# KiCad board Endstufe.kicad_pcb (continued)
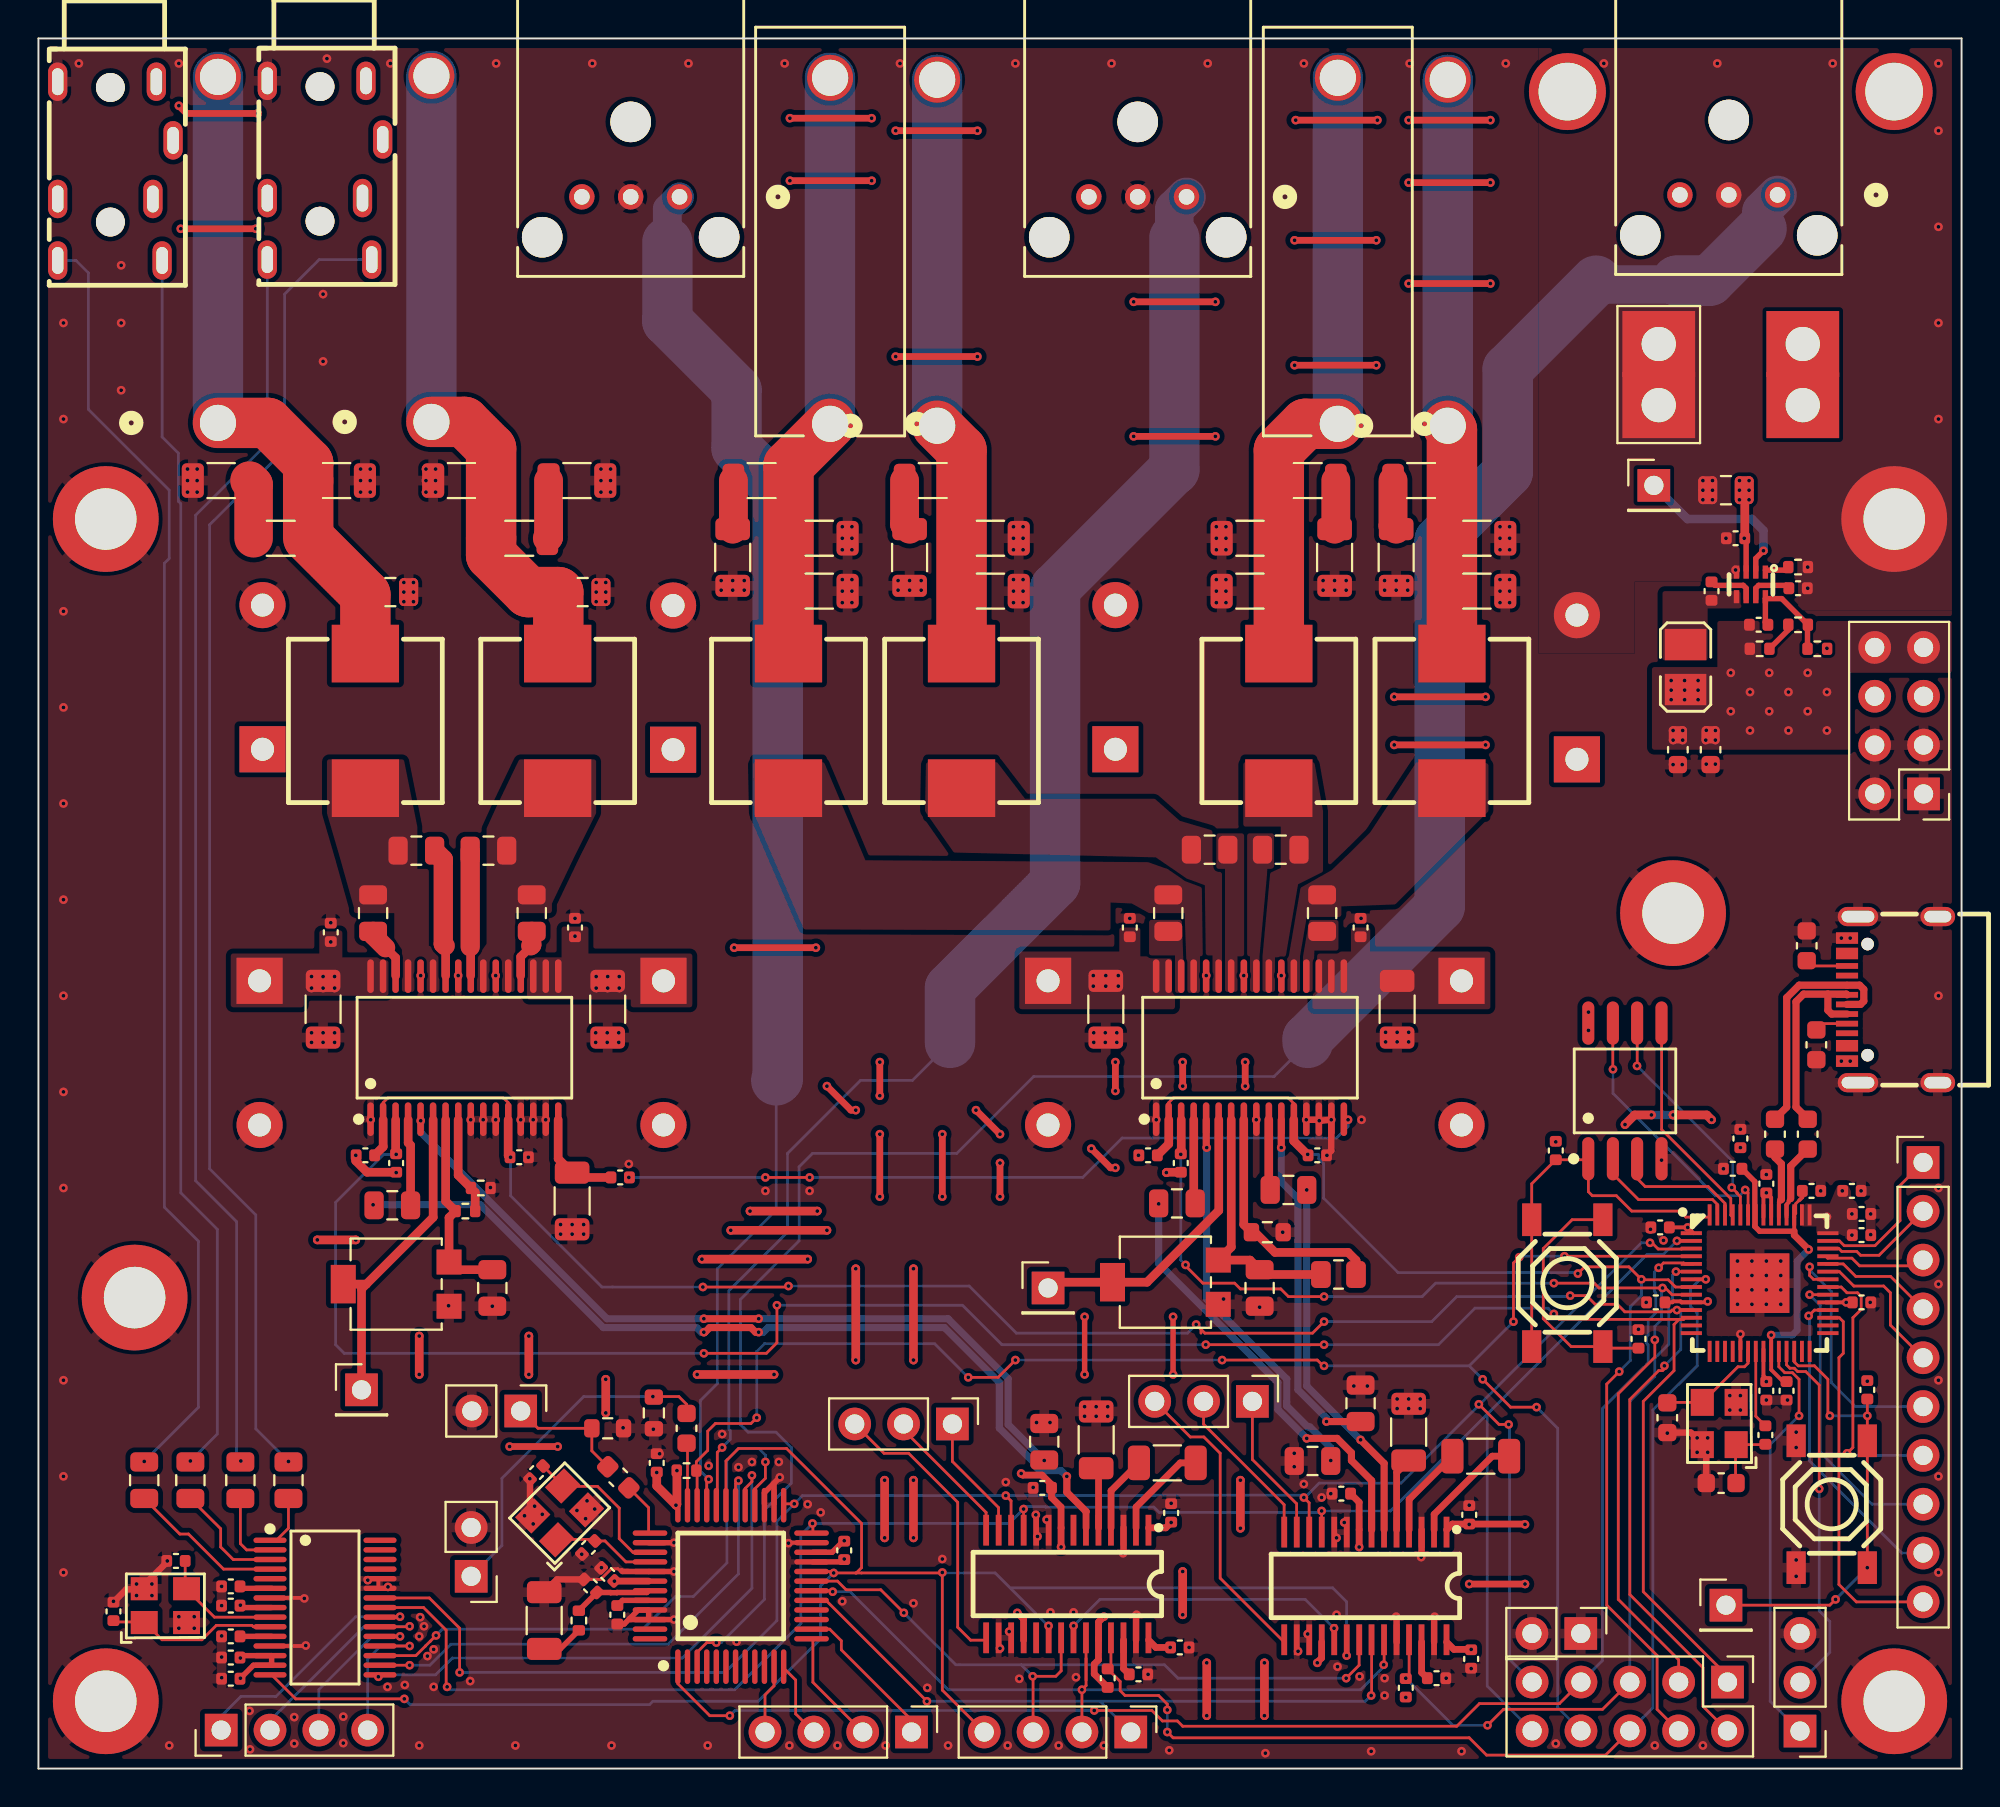
[diagram p0: board, top side]
## Footprints (pads in the part's own frame, mm; a bottom-side part is the same pattern mirrored in y, then rotated) (continued)
PinHeader_2x04_P2.54mm_Vertical
  rect 1.7x1.7 hole 1: 1(0,0)
  oval 1.7x1.7 hole 1: 2(2.54,0) 3(0,-2.54) 4(2.54,-2.54) 5(0,-5.08) 6(2.54,-5.08) 7(0,-7.62) 8(2.54,-7.62)
PinHeader_2x05_P2.54mm_Vertical
  rect 1.7x1.7 hole 1: 1(0,0)
  oval 1.7x1.7 hole 1: 2(2.54,0) 3(0,-2.54) 4(2.54,-2.54) 5(0,-5.08) 6(2.54,-5.08) 7(0,-7.62) 8(2.54,-7.62) 9(0,-10.16) 10(2.54,-10.16)
Potentiometer_Bourns_3314G_Vertical
  rect 1.3x1.3 smd: 1(1.15,2.75) 3(-1.15,2.75)
  rect 2x1.3 smd: 2(0,-2.75)
R_0402_1005Metric
  rrect 0.54x0.64 smd: 1(-0.51,0) 2(0.51,0)
R_0603_1608Metric
  rrect 0.8x0.95 smd: 1(-0.825,0) 2(0.825,0)
R_0805_2012Metric
  rrect 1.025x1.4 smd: 1(-0.912,0) 2(0.912,0)
R_1206_3216Metric
  rrect 1.125x1.75 smd: 1(-1.462,0) 2(1.462,0)
SOIC-8_L5.3-W5.3-P1.27-LS8.0-BL
  oval 0.63x2.25 smd: 1(-1.91,-3.53) 2(-0.63,-3.53) 3(0.63,-3.53) 4(1.9,-3.53) 5(1.9,3.53) 6(0.63,3.53) 7(-0.63,3.53) 8(-1.91,3.53)
SOT-583-8_L2.1-W1.2-P0.50-LS1.6-BR
  rect 0.68x0.28 smd: 1(0.64,-0.75) 2(0.64,-0.25) 3(0.64,0.25) 4(0.64,0.75) 5(-0.64,0.75) 6(-0.64,0.25) 7(-0.64,-0.25) 8(-0.64,-0.75)
SW-SMD_4P-L5.1-W5.1-P3.70-LS6.5-TL-2
  rect 1.7x1 smd: 1(-3.3,1.85) 2(3.3,1.85) 3(-3.3,-1.85) 4(3.3,-1.85)
TQFP-48_L7.0-W7.0-P0.50-LS9.0-TL
  oval 1.8x0.28 smd: 1(-4.2,2.75) 2(-4.2,2.25) 3(-4.2,1.75) 4(-4.2,1.25) 5(-4.2,0.75) 6(-4.2,0.25) 7(-4.2,-0.25) 8(-4.2,-0.75) 9(-4.2,-1.25) 10(-4.2,-1.75) 11(-4.2,-2.25) 12(-4.2,-2.75) 25(4.2,-2.75) 26(4.2,-2.25) 27(4.2,-1.75) 28(4.2,-1.25) 29(4.2,-0.75) 30(4.2,-0.25) 31(4.2,0.25) 32(4.2,0.75) 33(4.2,1.25) 34(4.2,1.75) 35(4.2,2.25) 36(4.2,2.75)
  oval 0.28x1.8 smd: 13(-2.75,-4.2) 14(-2.25,-4.2) 15(-1.75,-4.2) 16(-1.25,-4.2) 17(-0.75,-4.2) 18(-0.25,-4.2) 19(0.25,-4.2) 20(0.75,-4.2) 21(1.25,-4.2) 22(1.75,-4.2) 23(2.25,-4.2) 24(2.75,-4.2) 37(2.75,4.2) 38(2.25,4.2) 39(1.75,4.2) 40(1.25,4.2) 41(0.75,4.2) 42(0.25,4.2) 43(-0.25,4.2) 44(-0.75,4.2) 45(-1.25,4.2) 46(-1.75,4.2) 47(-2.25,4.2) 48(-2.75,4.2)
TSSOP-28_L9.8-W6.6-P0.65-BL
  rect 0.3x1.6 smd: 1(-4.22,-2.8) 2(-3.57,-2.8) 3(-2.92,-2.8) 4(-2.27,-2.8) 5(-1.62,-2.8) 6(-0.97,-2.8) 7(-0.32,-2.8) 8(0.32,-2.8) 9(0.97,-2.8) 10(1.62,-2.8) 11(2.27,-2.8) 12(2.92,-2.8) 13(3.57,-2.8) 14(4.22,-2.8) 15(4.22,2.8) 16(3.57,2.8) 17(2.92,2.8) 18(2.27,2.8) 19(1.62,2.8) 20(0.97,2.8) 21(0.32,2.8) 22(-0.32,2.8) 23(-0.97,2.8) 24(-1.62,2.8) 25(-2.27,2.8) 26(-2.92,2.8) 27(-3.57,2.8) 28(-4.22,2.8)
TSSOP-30_L7.8-W4.4-P0.50-LS6.4-BL
  oval 0.28x1.72 smd: 1(-3.5,-2.86) 2(-3,-2.86) 3(-2.5,-2.86) 4(-2,-2.86) 5(-1.5,-2.86) 6(-1,-2.86) 7(-0.5,-2.86) 8(0,-2.86) 9(0.5,-2.86) 10(1,-2.86) 11(1.5,-2.86) 12(2,-2.86) 13(2.5,-2.86) 14(3,-2.86) 15(3.5,-2.86) 16(3.5,2.86) 17(3,2.86) 18(2.5,2.86) 19(2,2.86) 20(1.5,2.86) 21(1,2.86) 22(0.5,2.86) 23(0,2.86) 24(-0.5,2.86) 25(-1,2.86) 26(-1.5,2.86) 27(-2,2.86) 28(-2.5,2.86) 29(-3,2.86) 30(-3.5,2.86)
USB-C-SMD_TYPE-C16PIN
  round 0.65 hole 0.65: (-2.89,1.29) (2.89,1.29)
  oval 1x2.1 hole 0.6x1.7: 1(-4.32,1.79) 2(4.32,1.79)
  oval 1x1.8 hole 0.6x1.4: 3(-4.32,-2.36) 4(4.32,-2.36)
  rect 0.6x1.15 smd: A1B12(-3.2,2.36) A4B9(-2.4,2.36) B1A12(3.2,2.36) B4A9(2.4,2.36)
  rect 0.3x1.15 smd: A5(-1.25,2.36) A6(-0.25,2.36) A7(0.25,2.36) A8(-1.75,2.36) B5(1.75,2.36) B6(0.75,2.36) B7(-0.75,2.36) B8(1.25,2.36)

## Nets
+3V3: C10.2 C13.2 C14.2 C22.1 C23.1 C24.2 C25.2 C26.2 C28.1 C35.2 C36.2 C37.2 C38.2 C39.2 C43.2 C45.2 C46.2 C47.2 C48.2 C50.2 C104.2 C105.2 C106.2 C107.2 J5.3 J6.3 J20.3 J24.7 J24.8 L7.2 R6.2 R9.2 R10.2 R11.2 R12.2 R18.2 R19.2 R29.1 R31.1 R37.2 U1.8 U1.13 U1.14 U2.22 U2.36 U2.42 U3.1 U3.8 U3.18 U3.28 U4.1 U4.8 U4.18 U4.24 U4.28 U8.1 U8.10 U8.22 U8.33 U8.42 U8.43 U8.44 U8.48 U8.49 U9.8
+24V: C6.1 C9.1 C66.1 C67.1 C68.1 C69.1 C70.1 C71.1 C86.1 C87.1 C88.1 C89.1 C90.1 C91.1 C100.1 C101.1 C102.1 C103.1 J18.2 J24.5 J24.6 U5.17 U5.18 U5.19 U5.31 U5.32 U6.17 U6.18 U6.19 U6.31 U6.32 U7.3
GND: C5.2 C6.2 C7.1 C8.2 C9.2 C10.1 C11.2 C12.2 C13.1 C14.1 C15.2 C16.2 C19.2 C20.1 C23.2 C24.1 C25.1 C26.1 C27.2 C28.2 C29.1 C30.2 C33.1 C34.1 C35.1 C36.1 C37.1 C38.1 C39.1 C40.2 C43.1 C44.1 C45.1 C46.1 C47.1 C48.1 C50.1 C51.2 C54.1 C56.1 C57.1 C60.1 C61.1 C63.2 C66.2 C67.2 C68.2 C69.2 C70.2 C71.2 C74.2 C75.1 C76.2 C77.1 C78.2 C79.1 C80.1 C81.2 C82.2 C83.1 C84.2 C85.1 C86.2 C87.2 C88.2 C89.2 C90.2 C91.2 C92.2 C93.1 C94.2 C95.1 C96.2 C97.1 C100.2 C101.2 C102.2 C103.2 C104.1 C105.1 C106.1 C107.1 C108.1 C109.1 H1.1 H2.1 H3.1 H4.1 H5.1 H6.1 J1.1 J2.1 J3.2 J4.2 J5.2 J6.2 J18.1 J20.2 J24.1 J24.2 J24.3 J24.4 J28.3 J30.1 J30.2 R7.2 R8.2 R13.1 R15.2 R16.2 R20.1 R28.2 R30.2 R32.1 R35.2 R36.2 RV1.1 RV2.1 SW2.3 SW2.4 U1.7 U1.12 U1.25 U1.26 U2.21 U2.23 U2.26 U2.27 U2.38 U2.41 U2.45 U2.46 U3.3 U3.9 U3.10 U3.16 U3.17 U3.24 U3.27 U4.3 U4.9 U4.10 U4.16 U4.17 U4.27 U5.1 U5.9 U5.13 U5.14 U5.15 U5.22 U5.25 U5.28 U6.1 U6.9 U6.10 U6.11 U6.13 U6.14 U6.15 U6.22 U6.25 U6.28 U7.4 U8.19 U8.57 U9.4 U10.1 U10.2 U10.3 U10.4 U10.A1B12 U10.B1A12 Y1.2 Y1.4 Y2.2 Y2.4 Y3.2 Y3.4
/PCM1865/BCK: U1.17 U2.30
/PCM1865/DOUT: U1.18 U2.28
/PCM1865/LRCK: U1.16 U2.29
/PCM1865/SCKI: J29.4 U1.15 U2.20 U2.31 U3.20 U4.20
/PCM5122A/BCK: J29.3 U2.19 U3.21 U4.21
/PCM5122A/DIN: J29.1 U2.17 U3.22
/PCM5122A/LRCK: J29.2 U2.18 U3.23 U4.23
/PCM5122A/OUTL: C55.1 U3.6
/PCM5122A/OUTR: C53.1 U3.7
/PCM5122A/SDOUT/GPIO6: U3.19 U4.22
/PCM5122A/XSMT: J23.5 R9.1 U3.25 U8.6
/PCM5122B/OUTL: C62.1 U4.6
/PCM5122B/OUTR: U4.7
/PCM5122B/SDOUT/GPIO6: U4.19
/PCM5122B/XSMT: J23.6 R10.1 U4.25 U8.7
/PCM9211/INT0: J23.7 U2.1 U8.5
/PCM9211/RST: J23.8 R6.1 U2.34 U8.4
/RP2040/GPIO6: J23.4 R11.1 R13.2 U5.2 U5.12 U8.8
/RP2040/GPIO7: J23.3 R12.1 U5.3 U8.9
/RP2040/GPIO8: J23.2 R18.1 R20.2 U6.2 U6.12 U8.11
/RP2040/GPIO9: J23.1 R19.1 U6.3 U8.12
/RP2040/RPUSB_D+: R33.1 U8.47
/RP2040/RPUSB_D-: R34.2 U8.46
/RP2040/USB_D+: R33.2 U10.A6 U10.B6
/RP2040/USB_D-: R34.1 U10.A7 U10.B7
/SCL: J23.9 U1.24 U2.25 U3.12 U4.12 U8.3
/SDA: J23.10 U1.23 U2.24 U3.11 U4.11 U8.2
/TPA3116D2/SYNC: R21.1 U5.16
Net-(C20-Pad2): C20.2 R5.1
Net-(C80-Pad2): C80.2 R23.1
Net-(C81-Pad1): C81.1 R22.2
Net-(C84-Pad1): C84.1 R24.2
Net-(C85-Pad2): C85.2 R25.1
Net-(C96-Pad1): C96.1 R26.2
Net-(C97-Pad2): C97.2 R27.1
Net-(C109-Pad2): C109.2 R38.1 Y3.1
Net-(J1-AUDIO_L): C1.1 J1.4
Net-(J1-AUDIO_R): C2.1 J1.3
Net-(J2-AUDIO_L): C3.1 J2.4
Net-(J2-AUDIO_R): C4.1 J2.3
Net-(J3-Pin_1): C31.2 J3.1 R7.1
Net-(J4-Pin_1): C32.2 J4.1 R8.1
Net-(J7-Pin_1): J7.1 U3.13
Net-(J7-Pin_2): J7.2 U3.14
Net-(J7-Pin_3): J7.3 U3.15
Net-(J8-Pin_1): J8.1 U4.13
Net-(J8-Pin_2): J8.2 U4.14
Net-(J8-Pin_3): J8.3 U4.15
Net-(J9-Pin_1): J9.1 RV1.2 U5.6
Net-(J10-Pin_1): J10.1 RV2.2 U6.6
Net-(J11-Pin_1): C74.1 C78.1 J11.1 L1.2 R22.1
Net-(J12-Pin_1): C75.2 C79.2 J12.1 L2.2 R23.2
Net-(J13-Pin_1): C76.1 C82.1 J13.1 L3.2 R24.1
Net-(J14-Pin_1): C77.2 C83.2 J14.1 L4.2 R25.2
Net-(J15-Pin_1): C92.1 C94.1 J15.1 L5.2 R26.1
Net-(J16-Pin_1): C93.2 C95.2 J16.1 L6.2 R27.2
Net-(J17-Pin_1): J17.1 U7.2
Net-(J19-Pin_1): J19.1 U1.22
Net-(J19-Pin_2): J19.2 U1.21
Net-(J19-Pin_3): J19.3 U1.20
Net-(J19-Pin_4): J19.4 U1.19
Net-(J21-Pin_1): J21.1 U2.14
Net-(J21-Pin_2): J21.2 U2.13
Net-(J21-Pin_3): J21.3 U2.12
Net-(J21-Pin_4): J21.4 U2.11
Net-(J22-Pin_1): J22.1 U8.41
Net-(J22-Pin_2): J22.2 U8.40
Net-(J22-Pin_3): J22.3 U8.39
Net-(J22-Pin_4): J22.4 U8.38
Net-(J22-Pin_5): J22.5 U8.37
Net-(J22-Pin_6): J22.6 U8.36
Net-(J22-Pin_7): J22.7 U8.35
Net-(J22-Pin_8): J22.8 U8.34
Net-(J22-Pin_9): J22.9 U8.32
Net-(J22-Pin_10): J22.10 U8.31
Net-(J27-Pin_1): J27.1 R37.1 SW2.1 SW2.2 U8.26
Net-(J28-Pin_1): J28.1 U8.24
Net-(J28-Pin_2): J28.2 U8.25
Net-(R1-Pad1): R1.1 R29.2
Net-(SW1-A): R31.2 SW1.1 SW1.2 U8.56 U9.1
Net-(SW1-C): R32.2 SW1.3 SW1.4
Net-(U1-LDO): C11.1 U1.11
Net-(U1-VINL1_VIN1P): C1.2 U1.3
Net-(U1-VINL2_VIN1M): C3.2 U1.1
Net-(U1-VINR1_VIN2P): C2.2 U1.4
Net-(U1-VINR2_VIN2M): C4.2 U1.2
Net-(U1-VREF): C12.1 U1.6
Net-(U1-XI): C8.1 U1.10 Y1.1
Net-(U1-XO): C7.2 U1.9 Y1.3
Net-(U2A-MPIO_A0): J20.1 U2.3
Net-(U2A-RXIN0): C32.1 U2.37
Net-(U2A-RXIN1): C31.1 U2.35
Net-(U2A-RXIN2): J5.1 U2.33
Net-(U2A-RXIN3): J6.1 U2.32
Net-(U2A-XTI): C29.2 U2.39 Y2.3
Net-(U2A-XTO): C30.1 U2.40 Y2.1
Net-(U2B-FILT): C19.1 R5.2 U2.43
Net-(U2B-VCOM): C27.1 U2.44
Net-(U3B-CAPM): C17.2 U3.4
Net-(U3B-CAPP): C17.1 U3.2
Net-(U3B-LDOO): C40.1 U3.26
Net-(U3B-VNEG): C15.1 U3.5
Net-(U4B-CAPM): C18.2 U4.4
Net-(U4B-CAPP): C18.1 U4.2
Net-(U4B-LDOO): C51.1 U4.26
Net-(U4B-VNEG): C16.1 U4.5
Net-(U5-BSNL): C73.1 U5.20
Net-(U5-BSNR): C65.1 U5.26
Net-(U5-BSPL): C72.1 U5.24
Net-(U5-BSPR): C64.1 U5.30
Net-(U5-GAIN_SLV): R14.2 R15.1 U5.8
Net-(U5-GVDD): C57.2 R14.1 RV1.3 U5.7
Net-(U5-LINN): C56.2 U5.11
Net-(U5-LINP): C55.2 U5.10
Net-(U5-OUTNL): C73.2 L4.1 U5.21
Net-(U5-OUTNR): C65.2 L2.1 U5.27
Net-(U5-OUTPL): C72.2 L3.1 U5.23
Net-(U5-OUTPR): C64.2 L1.1 U5.29
Net-(U5-RINN): C54.2 U5.5
Net-(U5-RINP): C53.2 U5.4
Net-(U6-BSNL): C98.1 U6.20
Net-(U6-BSNR): C59.1 U6.26
Net-(U6-BSPL): C99.1 U6.24
Net-(U6-BSPR): C58.1 U6.30
Net-(U6-GAIN_SLV): R16.1 R17.2 U6.8
Net-(U6-GVDD): C61.2 R17.1 RV2.3 U6.7
Net-(U6-OUTNL): C98.2 C99.2 L6.1 U6.21 U6.23
Net-(U6-OUTNR): C58.2 C59.2 L5.1 U6.27 U6.29
Net-(U6-RINN): C60.2 U6.5
Net-(U6-RINP): C62.2 U6.4
Net-(U6-SYNC): C63.1 R21.2 U6.16
Net-(U7-BST): C21.1 U7.6
Net-(U7-FB): C22.2 R1.2 R30.1 U7.8
Net-(U7-RT): R28.1 U7.1
Net-(U7-SS): C5.1 U7.7
Net-(U7-SW): C21.2 L7.1 U7.5
Net-(U8-QSPI_SCLK): U8.52 U9.6
Net-(U8-QSPI_SD0): U8.53 U9.5
Net-(U8-QSPI_SD1): U8.55 U9.2
Net-(U8-QSPI_SD2): U8.54 U9.3
Net-(U8-QSPI_SD3): U8.51 U9.7
Net-(U8-VREG_VOUT): C33.2 C34.2 C44.2 U8.23 U8.45 U8.50
Net-(U8-XIN): C108.2 U8.20 Y3.3
Net-(U8-XOUT): R38.2 U8.21
Net-(U10-CC1): R36.1 U10.A5
Net-(U10-CC2): R35.1 U10.B5

Pads without a net: J1 2 5 6 7; J2 2 5 6 7; U1 5 27 28 29 30; U2 2 4 5 6 7 8 9 10 15 16 47 48; U8 13 14 15 16 17 18 27 28 29 30; U10 A4B9 A8 B4A9 B8

## Via types
v1: diameter 0.45, hole 0.2, Top to Bottom, 736 vias

## Routing (per net, layer and track width the routed paths; a pad name or vN(x,y) marks a point on that pad's centre or on a via; arc(x,y) is an arc through that point)
+3V3: length 210.3
  Top w0.2: C107.2 v1(94,24.25) 92.94,24.25 ; C104.2 v1(85.76,28.15) 86.06,27.85 ; 89.7,28.69 89.7,29.8 C39.2 90.1,29.69 90.1,28.69 ; v1(86.8,24.3) 86.75,24.25 85.44,24.25 85.39,24.3 85.01,24.3 84.96,24.25 84.58,24.25 C105.2 ; 89.7,21.81 89.7,20.43 90,20.13 v1(89.85,20.13)
  Top w0.28: 40.27,11.25 41.27,11.25 41.85,11.83 v1(41.9,11.85) C24.2 ; v1(54.4,23.5) v1(54.4,20.5) ; v1(59,20.5) v1(59,23.5) ; v1(10.5,8.5) 10.62,8.38 12.13,8.38 ; C13.2 10.58,5.88 12.13,5.88 12.13,5.38 11.18,5.38 C14.2
  Top w0.35: v1(56,36.75) v1(56,35.25) ; v1(69.57,79.5) v1(65.32,79.5) ; v1(77.3,12.7) 77.28,12.72 C37.2 73.52,12.72 73.22,12.42 ; 51.23,6.68 51.23,7.77 v1(50.9,8.1) ; v1(66.5,5.5) 66.5,5.53 66.73,5.75 66.73,6.58 ; v1(54.75,32.25) 55.75,31.25 v1(56,31.25) ; v1(58.9,12.8) 58.62,12.52 57.72,12.52 ; v1(7.3,86.5) 7.7,86.1 v1(11.4,86.1) ; v1(41,35.5) 42.25,34.25 v1(42.5,34.25) ; v1(61.2,76.3) v1(56.95,76.3) ; v1(59.5,35.5) v1(59.5,36.75) ; v1(43.75,29.75) v1(43.75,33) ; 73.22,6.58 73.6,6.2 v1(74.5,6.2) ; v1(77.3,9.6) v1(74.4,9.6) ; 55.13,6.68 55.13,7.63 v1(55.4,7.9) ; v1(69.57,73) v1(65.32,73) ; v1(71.25,77.25) v1(75.5,77.25) ; v1(69.62,85.75) v1(65.38,85.75) ; v1(48.82,85.2) v1(44.57,85.2) ; v1(53.18,11.53) 53.18,13.6 52.68,14.1 C47.2 52.68,14.77 52.19,15.27 51.19,15.27 v1(51.1,15.35) ; v1(48.82,73.45) v1(44.57,73.45) ; C25.2 v1(29.95,9.75) 31.73,9.75 ; v1(7.4,80.1) v1(11.3,80.1) ; v1(75.5,82.5) v1(71.25,82.5) ; v1(43.32,82.6) v1(39.07,82.6) ; C38.2 68.68,13.85 v1(68.68,11.52) 68.7,11.5 ; v1(75.25,55.75) v1(70.5,55.75) ; v1(40.43,42.7) v1(36.18,42.7) ; v1(48.75,34.25) v1(50,33) ; v1(61.2,69.3) v1(56.95,69.3) ; v1(27,16.75) v1(24.5,16.75) ; v1(75.25,53.25) v1(70.5,53.25) ; v1(58.85,6.3) 58.1,6.3 57.72,6.68 ; v1(62.75,35.5) v1(62.75,36.75) ; R10.2 54.9,4.92 54.9,5.43 55.12,5.65 U4.24 ; v1(75.5,85.75) v1(71.25,85.75) ; v1(47,33) v1(47,29.75) ; v1(50,29.75) v1(50,31.5) ; v1(43.75,35) v1(43.75,36.75) ; v1(43.32,85.85) v1(39.07,85.85)
  Top w0.45: v1(60.75,5.5) v1(60.75,2.75) ; v1(16.5,31.9) 16.5,31.61 17.09,31.02 R19.2 ; v1(45.5,15) v1(45.5,12) ; v1(40,26.5) v1(34.5,26.5) ; v1(41,28) v1(36,28) ; v1(19.8,22.5) v1(19.8,20.5) ; v1(29.5,20.25) v1(29.5,18.5) ; R12.2 58.67,31.02 v1(58.65,31) ; v1(25.5,22.5) v1(25.5,20.5) ; v1(33.2,15.5) 33.2,13.75 v1(33.15,13.7) 32.15,14.7 C26.2 ; v1(59.5,10.25) v1(59.5,8) ; v1(82.5,33.5) 83,34 v1(83.88,34) ; v1(38.25,20.5) v1(34.25,20.5) ; v1(87,33.75) 86.75,34 v1(85,34) 85.25,34 ; v1(45.5,26) v1(45.5,21.25) ; v1(44,15) v1(44,12) ; v1(63.75,5.5) v1(63.75,2.75) ; v1(16.5,27.5) v1(14.5,27.5) ; v1(40.5,29) v1(37,29) ; v1(42.5,26) v1(42.5,21.25) ; v1(62.5,15) v1(62.5,12.5)
  Bottom w0.45: v1(83.88,34) v1(85,34)
  vias: v1(10.5,5.75) v1(10.5,4.7) v1(18.6,31) v1(32.15,15.4) v1(57.2,31.9) v1(71.1,3.7) v1(74.4,12.7) v1(78.9,32.6) v1(80.6,39.35) v1(80.6,38.4) v1(84.9,56.6) v1(84.9,56.1) v1(84.9,55.6) v1(85,54) v1(85,53.5) v1(85.5,54) v1(85.5,53.5) v1(85.6,56.6) v1(85.6,56.1) v1(85.6,55.6) v1(86.3,56.6) v1(86.3,56.1) v1(86.3,55.6) v1(86.73,54.01) v1(86.7,53.5) v1(87.2,54) v1(87.2,53.5) v1(88,57) v1(88,55) v1(88.5,32.3) v1(89,56) v1(89,54) v1(89.85,29.95) v1(90,57) v1(90,55) v1(91,56) v1(91,54) v1(92,57) v1(92,55) v1(93,56) v1(93,54) v1(93,28.7) v1(93.8,30.05) v1(94.3,28.85) v1(94.3,27.75) v1(95.1,20.15)
+24V: length 4.2
  Top w0.28: C6.1 88.8,63.93 88.8,62.34
  Top w0.45: C9.1 88.73,66.47 C6.1
  vias: v1(14.2,41.2) v1(14.2,40.6) v1(14.8,41.2) v1(14.8,40.6) v1(15.2,43) v1(15.4,41.2) v1(15.4,40.6) v1(27.9,43.3) v1(29,41.2) v1(29,40.6) v1(29.6,41.2) v1(29.6,40.6) v1(30.2,41.2) v1(30.2,40.6) v1(54.85,41.25) v1(54.85,40.7) v1(55.5,41.25) v1(55.5,40.7) v1(56.15,41.25) v1(56.15,40.7) v1(88.45,67) v1(88.45,66.5) v1(88.45,66) v1(88.7,64) v1(88.95,67) v1(88.95,66.5) v1(88.95,66)
GND: length 44.9
  Top w0.15: 30.28,10.25 30.13,10.39 29.79,10.39 29.23,9.84 C19.2
  Top w0.2: v1(39,11.72) 39.03,11.75 40.27,11.75 ; v1(13.9,6.4) 13.88,6.38 12.13,6.38 ; v1(88.5,22.6) 88.5,21.81 ; 17.68,9.88 17.68,9.38 ; v1(13.82,8.85) 13.8,8.88 12.13,8.88
  Top w0.28: 31.73,11.75 v1(33.05,11.75) ; v1(33.05,7.75) 31.73,7.75 ; 31.73,7.75 31.73,8.25 31.19,8.25 30.75,7.8 ; 31.73,7.75 30.8,7.75 30.75,7.8 ; 30.75,7.8 30.46,7.52 C27.2 ; 40.27,10.75 41.75,10.75 v1(41.9,10.9) ; v1(33.05,10.25) 30.37,10.25 30.32,10.3 ; 38.25,13.77 38.25,14.85 v1(38.55,15.15) 37.75,14.35 37.75,13.77
  Top w0.335: v1(71.9,11) 71.93,11.03 71.93,12.42 ; 57.07,6.68 57.07,7.97 v1(57.1,8) ; C8.2 v1(3.9,8.7) 3.94,8.7 4.57,9.32 5.5,9.32 5.5,9.56 6.7,10.75 v1(6.7,10.8) 6.75,10.8 6.72,10.78 ; 56.43,12.52 56.43,11.22 v1(56.4,11.2) ; v1(65.93,33.75) 66.57,33.75 v1(66.6,33.7) v1(67.22,33.75) 67.22,32.14 67,31.92 v1(67,31.9) R13.1 ; C108.1 85.93,17.47 86.72,16.67 C109.1 ; C29.1 25.56,13.28 25.72,13.12 ; 72.57,6.58 72.57,7.87 v1(72.6,7.9) ; 26.3,9.18 26.96,9.84 C19.2 ; 70.63,6.58 70.63,7.87 v1(70.6,7.9) ; 28.21,13.21 28.48,13.48
  vias: v1(1.3,75.2) v1(1.3,70.2) v1(1.3,60.2) v1(1.3,55.2) v1(1.3,50.2) v1(1.3,45.2) v1(1.3,40.2) v1(1.3,35.2) v1(1.3,30.2) v1(1.3,20.2) v1(1.3,15.2) v1(1.3,10.2) v1(2.1,88.7) v1(4.3,78.2) v1(4.3,75.2) v1(4.3,71.7) v1(5.1,9.6) v1(5.1,9) v1(5.9,9.6) v1(5.9,9) v1(6.8,1.2) v1(7.3,88.7) v1(7.3,7.9) v1(7.3,7.3) v1(7.75,67.6) v1(7.75,67) v1(7.75,66.4) v1(8.1,7.9) v1(8.1,7.3) v1(8.25,67.6) v1(8.25,67) v1(8.25,66.4) v1(9.53,9.47) v1(9.53,8.47) v1(9.53,6.9) v1(9.53,5.8) v1(9.53,4.72) v1(10.97,3) v1(11,1) v1(13.3,2.68) v1(13.3,1.3) v1(14.2,38.28) v1(14.2,37.78) v1(14.8,76.7) v1(14.8,73.2) v1(14.8,38.28) v1(14.8,37.78) v1(15,88.95) v1(15.2,44) v1(15.4,38.28) v1(15.4,37.78) v1(15.85,2.7) v1(15.85,1.32) v1(16.75,67.6) v1(16.75,67) v1(16.75,66.4) v1(17.12,9.8) v1(17.25,67.6) v1(17.25,67) v1(17.25,66.4) v1(17.28,33.75) v1(18.18,9.45) v1(18.15,4.25) v1(18.3,88.7) v1(19,61.7) v1(19,61.2) v1(19,60.7) v1(19.05,4.35) v1(19.5,61.7) v1(19.5,61.2) v1(19.5,60.7) v1(19.85,7.88) v1(19.8,6.88) v1(19.8,1.2) v1(19.88,41.25) v1(20.05,7.4) v1(20.15,67.6) v1(20.15,67) v1(20.15,66.4) v1(20.22,5.85) v1(20.55,6.2) v1(20.55,4.25) v1(20.65,67.6) v1(20.65,67) v1(20.65,66.4) v1(21.32,24.08) v1(21.82,41.25) v1(22.45,4.55) v1(22.47,33.75) v1(23.12,33.75) v1(23.5,30.22) v1(23.6,24.05) v1(23.8,88.7) v1(23.78,41.25) v1(23.78,33.75) v1(24.8,1.2) v1(25.07,33.75) v1(25.28,13.15) v1(25.47,31.8) v1(25.55,15.08) v1(25.72,33.75) v1(25.72,12.72) v1(25.8,13.65) v1(26.2,13.22) v1(26.38,33.75) v1(27.15,28.3) v1(27.15,27.8) v1(27.75,28.3) v1(27.75,27.8) v1(27.9,44.22) v1(28,13.42) v1(28.25,11.15) v1(28.35,28.3) v1(28.35,27.8) v1(28.45,13) v1(28.53,13.92) v1(28.8,88.7) v1(28.93,13.5) v1(29,61.7) v1(29,61.2) v1(29,60.7) v1(28.97,38.28) v1(28.97,37.78) v1(29.25,67.6) v1(29.25,67) v1(29.25,66.4) v1(29.28,10.45) v1(29.5,61.7) v1(29.5,61.2) v1(29.5,60.7) v1(29.57,38.28) v1(29.57,37.78) v1(29.75,67.6) v1(29.75,67) v1(29.75,66.4) v1(29.8,1.2) v1(30.18,38.28) v1(30.18,37.78) v1(30.4,17.72) v1(30.7,31.45) v1(31.97,17.65) v1(32.3,16.38) v1(33.8,88.7) v1(34.85,15.75) v1(34.8,1.2) v1(35.5,61.8) v1(35.5,61.3) v1(35.55,17.4) v1(36.1,61.8) v1(36.1,61.3) v1(36.3,6.6) v1(36.4,15.67) v1(36.7,61.8) v1(36.7,61.3) v1(37.1,15.95) v1(37.8,30.05) v1(38.5,15.95) v1(38.8,88.7) v1(39.05,1.2) v1(40,13.75) v1(40.1,30.05) v1(40.68,13.33) v1(41.55,1.2) v1(41.8,64.6) v1(41.8,64) v1(41.8,63.4) v1(41.8,61.85) v1(41.8,61.25) v1(41.8,60.65) v1(41.8,8.7) v1(42.3,64.6) v1(42.3,64) v1(42.3,63.4) v1(42.3,61.85) v1(42.3,61.25) v1(42.3,60.65) v1(44.05,1.2) v1(44.7,61.8) v1(44.7,61.3) v1(44.8,88.7) v1(45.3,61.8) v1(45.3,61.3) v1(45.5,8.6) v1(45.9,61.8) v1(45.9,61.3) v1(46.22,4.2) v1(47,10.9) v1(47.3,1.2) v1(50,6.25) v1(50.3,14.9) v1(50.4,1.2) v1(50.47,7.12) v1(50.7,64.6) v1(50.7,64) v1(50.7,63.4) v1(50.7,61.85) v1(50.7,61.25) v1(50.7,60.65) v1(50.8,88.7) v1(51,4.67) v1(51.2,64.6) v1(51.2,64) v1(51.2,63.4) v1(51.2,61.85) v1(51.2,61.25) v1(51.2,60.65) v1(51.72,14.62) v1(51.9,18) v1(51.86,13.2) v1(51.95,12.08) v1(52.43,12.95) v1(52.6,18) v1(52.62,8.12) v1(53.05,1.2) v1(53.82,8.12) v1(53.95,4.75) v1(54.4,18.83) v1(54.4,18.33) v1(54.88,38.28) v1(54.88,37.78) v1(55,18.83) v1(55,18.33) v1(55.4,1.2) v1(55.47,38.28) v1(55.47,37.78) v1(55.6,18.83) v1(55.6,18.33) v1(55.8,88.7) v1(56.07,38.28) v1(56.07,37.78) v1(56.75,44.22) v1(57.7,4.9) v1(58.12,33.75) v1(58.8,0.95) v1(58.9,13.8) v1(59.83,6.3) v1(60.72,41.25) v1(60.8,88.7) v1(61.25,64.6) v1(61.25,64) v1(61.25,63.4) v1(61.25,61.85) v1(61.25,61.25) v1(61.25,60.65) v1(61.62,24.42) v1(61.75,64.6) v1(61.75,64) v1(61.75,63.4) v1(61.75,61.85) v1(61.75,61.25) v1(61.75,60.65) v1(62.68,41.25) v1(63.33,33.75) v1(63.5,24) v1(63.8,0.8) v1(64.62,41.25) v1(64.7,27.9) v1(65.3,16.4) v1(65.3,15.7) v1(65.5,6.1) v1(65.8,88.7) v1(65.8,14.8) v1(66,7) v1(66.72,14.1) v1(66.8,61.8) v1(66.8,61.3) v1(67.2,14.3) v1(67.4,61.8) v1(67.4,61.3) v1(67.5,12) v1(67.5,8) v1(67.55,5.3) v1(67.9,12.8) v1(68,61.8) v1(68,61.3) v1(68.4,19.9) v1(68.7,4.79) v1(68.78,44.22) v1(68.8,33.75) v1(69.1,19.9) v1(69.3,0.9) v1(70,61.8) v1(70,61.3) v1(70,4.7) v1(70,3.8) v1(70.05,38.3) v1(70.05,37.8) v1(70.6,61.8) v1(70.6,61.3) v1(70.65,38.3) v1(70.65,37.8) v1(70.65,19.22) v1(70.65,18.72) v1(71.2,61.8) v1(71.2,61.3) v1(71.25,38.3) v1(71.25,37.8) v1(71.25,19.22) v1(71.25,18.72) v1(71.3,88.7) v1(71.85,19.22) v1(71.85,18.72) v1(73.2,4.7) v1(74,0.9) v1(74.4,13.7) v1(74.5,5.2) v1(76,64.6) v1(76,64) v1(76,63.4) v1(76,61.85) v1(76,61.25) v1(76,60.65) v1(76.3,88.7) v1(76.5,64.6) v1(76.5,64) v1(76.5,63.4) v1(76.5,61.85) v1(76.5,61.25) v1(76.5,60.65) v1(78.9,1.3) v1(81.4,88.7) v1(83.2,22.85) v1(83.6,24.25) v1(83.82,28.05) v1(84.05,1.2) v1(84.4,31.65) v1(84.5,27.47) v1(84.7,17.45) v1(85,52.22) v1(85.47,52.22) v1(86.25,17.2) v1(86.25,16.45) v1(86.55,67) v1(86.55,66.5) v1(86.55,66) v1(86.55,1.2) v1(86.72,52.25) v1(86.8,17.2) v1(86.8,16.45) v1(87.05,67) v1(87.05,66.5) v1(87.05,66) v1(87.2,52.25) v1(87.3,88.7) v1(87.62,31.2) v1(87.75,64) v1(87.95,19.4) v1(87.95,18.65) v1(88.25,62.35) v1(88.35,26.4) v1(88.35,25.65) v1(88.35,24.9) v1(88.35,24.15) v1(88.5,33.25) v1(88.5,19.4) v1(88.5,18.65) v1(89.1,26.4) v1(89.1,25.65) v1(89.1,24.9) v1(89.1,24.15) v1(89.85,30.9) v1(89.85,26.4) v1(89.85,25.65) v1(89.85,24.9) v1(89.85,24.15) v1(89.85,19.17) v1(90.6,26.4) v1(90.6,25.65) v1(90.6,24.9) v1(90.6,24.15) v1(90.95,19.17) v1(91.4,17.5) v1(91.4,16.7) v1(91.4,10.85) v1(91.4,10) v1(92,62.5) v1(92,61.4) v1(92.68,30.05) v1(93,58.28) v1(93.3,88.7) v1(93.75,43.2) v1(93.75,36.8) v1(94.21,43.2) v1(94.21,36.8) v1(94.78,30.05) v1(95.25,24.25) v1(95.28,28.85) v1(95.28,27.78) v1(98.8,88.7) v1(98.8,85.2) v1(98.8,80.2) v1(98.8,75.2) v1(98.8,70.2) v1(98.8,40.2) v1(98.8,30.2) v1(98.8,25.2) v1(98.8,20.2) v1(98.8,15.2) v1(98.8,10.2)
/PCM1865/BCK: length 26.8
  Top w0.143: v1(36.4,14.97) 36.25,14.83 36.25,13.77 ; 17.68,5.38 19.32,5.38
  Bottom w0.143: v1(19.3,5.38) 20.35,5.38 21.45,6.47 32.75,6.47 36.4,10.12 v1(36.4,14.97)
/PCM1865/DOUT: length 30.6
  Top w0.143: v1(20.68,6.93) 20.38,6.63 20.37,6.63 20.12,6.38 20.12,6.37 19.62,5.88 17.68,5.88 ; v1(37.8,15.95) 37.8,15.1 37.25,14.55 37.25,13.77
  Bottom w0.143: v1(20.68,6.93) 21,7.25 31.43,7.25 33.12,8.95 34.05,8.95 35.8,10.7 35.8,16.05 36.4,16.65 37.45,16.65 37.8,16.3 v1(37.8,15.95)
/PCM1865/LRCK: length 29
  Top w0.143: 36.75,13.77 36.75,14.57 37.1,14.92 v1(37.1,15.25) ; 17.68,4.87 17.68,4.7
  Bottom w0.143: v1(17.68,4.78) 17.78,4.88 20.65,4.88 21.53,5.75 33.47,5.75 37.1,9.38 v1(37.1,15.25)
/PCM1865/SCKI: length 92.4
  Top w0.143: 41.32,10.18 v1(41.35,10.18) ; 41.32,10.18 41.25,10.25 40.27,10.25 ; 41.32,10.18 41.35,10.15 v1(41.35,10.18) ; v1(41.35,10.18) 42.5,10.18 ; v1(41.35,10.18) 41.43,10.25 ; J29.4 47,4.08 v1(47,10.2) ; 42.5,10.18 42.53,10.18 42.8,10.45 42.8,12.75 38.9,16.65 36.4,16.65 35.75,16 35.75,13.77 ; 42.5,10.18 46.97,10.18 v1(47,10.2) ; 52.53,6.68 v1(52.53,7.42) ; 47.03,10.18 v1(47,10.2) ; 12.13,4.87 13.38,3.62 v1(19.03,3.62)
  Bottom w0.143: v1(68.03,5.88) 68.03,8.68 67.3,9.4 50.53,9.4 ; v1(52.53,7.42) 52.5,7.42 49.75,10.18 47.03,10.18 ; v1(19.03,3.62) 19.32,3.32 31.78,3.32 31.95,3.5 37.43,3.5 40.68,6.75 40.68,9.5 v1(41.35,10.18)
/PCM5122A/BCK: length 39.1
  Top w0.143: 68.67,6.58 68.67,5.37 v1(68,4.7) ; J29.3 51.72,4.78 v1(51.7,4.8) 52.9,4.8 53.18,5.08 U4.21 ; 40.27,9.75 41.55,9.75 42,9.3 43.8,9.3 v1(45,8.1)
  Bottom w0.143: v1(45,8.1) 47.7,5.4 51.1,5.4 ; v1(51.7,4.8) 51.1,5.4 ; 51.1,5.4 58.55,5.4 59.25,4.7 v1(68,4.7)
/PCM5122A/DIN: length 36.4
  Top w0.143: 69.33,6.58 69.33,3.83 v1(69.3,3.8) ; v1(46.2,3.5) 40.95,8.75 40.27,8.75
  Bottom w0.143: v1(69.3,3.8) 69,3.5 55.2,3.5 ; 55.2,3.5 v1(46.2,3.5) ; 55.2,3.5 J29.1
/PCM5122A/LRCK: length 39.6
  Top w0.143: 69.97,6.58 69.97,5.42 v1(69.95,5.4) ; 40.27,9.25 41.25,9.25 v1(41.3,9.2) ; 54.47,4.59 54.47,6.68 ; 54.47,5.72 54.47,4.31 v1(54.26,4.1) J29.2
  Bottom w0.143: v1(41.3,9.2) 42.2,9.2 47.3,4.1 v1(54.26,4.1) 68.75,4.1 69.95,5.3 v1(69.95,5.4)
/PCM5122A/OUTL: length 19.3
  Top w0.37: 69.97,12.42 69.97,15.88 v1(68.75,17.1)
  Bottom w0.37: v1(65.95,30.1) 65.95,19.9 v1(68.75,17.1)
/PCM5122A/OUTR: length 22.5
  Top w0.37: v1(65.95,17.17) 67.53,17.17 68.28,16.43 68.28,16.03 69.33,14.97 69.33,12.42
  Bottom w0.37: v1(65.95,17.17) 64.45,18.67 64.45,20.08 58.25,26.28 v1(58.25,29.38)
/PCM5122A/SDOUT/GPIO6: length 14.7
  Bottom w0.143: v1(67.37,7.3) 65.87,8.8 55.2,8.8 v1(53.83,7.43)
/PCM5122A/XSMT: length 38.8
  Top w0.143: R9.1 v1(71.1,4.7) 71.12,4.7 71.27,4.85 71.27,6.58 ; 86.06,25.85 v1(85.15,25.85) ; v1(75.35,2.25) 76.18,3.08 81.33,3.08 J23.5
  Bottom w0.143: v1(75.35,2.25) 73.55,2.25 v1(71.1,4.7) ; v1(85.15,25.85) 84.97,25.67 84.97,24.32 84.77,24.12 84.77,22.07 84.05,21.35 84.05,20.4 82.75,19.1 J23.5
/PCM5122B/OUTL: length 46.9
  Top w0.35: 54.47,12.52 54.47,13.37
  Top w0.37: v1(53.47,15.2) 53.47,14.38 54.47,13.38 54.47,13.37 ; 34.62,22.67 v1(34.6,22.7) 34.66,22.7 34.9,22.94 37.05,22.94 37.29,22.7 v1(37.45,22.7)
  Bottom w0.37: v1(37.45,22.7) 37.7,22.7 37.94,22.94 47.11,22.94 49.97,20.08 49.97,17.71 51.76,15.91 51.76,15.8 52.08,15.49 53.19,15.49 v1(53.47,15.2) ; v1(17.4,29.33) 22.99,29.33 29.37,22.94 34.22,22.94 34.47,22.7 v1(34.6,22.7)
/PCM5122B/XSMT: length 58.6
  Top w0.143: 86.06,25.45 v1(86.7,25.45) ; v1(58.7,1.9) 59,1.6 74.4,1.6 75.3,0.7 81.49,0.7 J23.6 ; U4.25 55.77,5.35 R10.1 56.25,4.53 56.25,4.05 56.5,3.8 58.25,3.8 58.7,3.35 v1(58.7,3.05)
  Bottom w0.143: v1(58.7,3.05) v1(58.7,1.9) ; v1(86.7,25.45) 86.4,25.45 85.9,24.95 85.9,24.05 86.25,23.7 86.25,20.95 83.95,18.65 83.95,3.16 J23.6
/PCM9211/INT0: length 75.7
  Top w0.143: v1(54.9,3.02) 57.9,3.02 58.45,2.47 59.22,2.47 59.5,2.2 73.75,2.2 74.93,3.38 79.09,3.38 J23.7 ; v1(84.25,26.05) 84.5,26.3 85.55,26.3 85.6,26.25 86.06,26.25 ; v1(35.95,2.75) 34.91,2.75 33.25,4.41 33.25,5.23
  Bottom w0.143: v1(54.9,3.02) 54.92,3 55.15,3 55.13,3.02 36.22,3.02 v1(35.95,2.75) ; v1(84.25,26.05) 84.02,25.82 84.02,24.82 84.1,24.75 84.1,23.7 83.7,23.3 83.7,22.55 83.62,22.48 83.62,22.12 83.7,22.05 83.7,21.1 81.32,18.72 81.32,5.61 J23.7
/PCM9211/RST: length 87
  Top w0.143: 66.8,20.95 66.5,21.25 v1(61.55,21.25) ; 66.8,20.95 66.85,20.9 v1(66.85,20.95) 66.8,20.95 ; v1(37.35,18.25) 37.05,17.95 35.2,17.95 34.8,17.55 34.8,16.55 34.21,15.96 R6.1 34.25,15.46 34.25,13.77 ; v1(48.35,20.35) 49.9,20.35 v1(50.8,21.25) ; v1(75.1,20.25) 76.55,18.8 v1(77.9,18.8) ; 79.4,26.65 v1(79.35,26.65) 86.06,26.65 ; v1(76.7,23.25) 76.7,26.3 v1(77,26.6)
  Bottom w0.143: v1(77.9,18.8) 79,17.7 79,3.17 J23.8 ; 74.4,20.95 v1(66.85,20.95) 66.9,21 ; 74.4,20.95 v1(76.7,23.25) ; 74.4,20.95 v1(75.1,20.25) ; v1(48.35,20.35) 46.6,22.1 37.75,22.1 37.35,21.7 v1(37.35,18.25) ; v1(79.35,26.65) 77.05,26.65 v1(77,26.6) ; v1(50.8,21.25) v1(61.55,21.25)
/RP2040/GPIO6: length 62.9
  Top w0.143: 58.78,33.75 58.78,34.64 59.03,34.9 64.97,34.9 65.27,34.6 65.27,33.75 ; v1(80.05,25.75) 80.4,26.1 82.7,26.1 v1(83.35,25.45) 83.37,25.43 84.75,25.43 85.13,25.05 86.06,25.05 ; v1(82.2,20.65) 81.55,20 81.55,8.5 84.17,5.88 84.17,3.08 J23.4
  Top w0.45: 58.78,33.75 58.78,32.5 R11.1 ; R13.2 66,31.92 v1(66,31.95) 65.97,31.95 65.27,32.65 65.27,33.75
  Bottom w0.143: v1(80.05,25.75) 80,25.8 70.7,25.8 66.82,29.68 66.82,31.47 66.57,31.72 66.57,31.93 66.55,31.95 v1(66,31.95) ; v1(83.35,25.45) 83.35,24.6 82.77,24.03 82.77,21.22 v1(82.2,20.65)
/RP2040/GPIO7: length 58.3
  Top w0.143: v1(84.05,22.3) 84.05,21.4 82.15,19.5 82.15,8.8 85.29,5.66 J23.3 ; v1(78.8,25.25) 80.9,25.25 81.15,25 v1(84.45,25) 84.6,25 84.95,24.65 86.06,24.65 ; v1(66.85,24.55) 65,24.55 64.6,24.95 62.5,24.95 62.2,25.25 60.55,25.25 59.65,26.15 v1(59.65,26.2) 59.6,26.2
  Top w0.45: R12.1 59.37,31.95 v1(59.4,31.95) R12.1 ; R12.1 59.43,32.01 59.43,33.75
  Bottom w0.143: 66.9,24.5 v1(66.85,24.55) 71.95,24.55 72.65,25.25 v1(78.8,25.25) ; v1(59.65,26.2) 59.4,26.45 v1(59.4,31.95) ; v1(84.45,25) 84.4,24.95 84.4,23.35 84.05,23 v1(84.05,22.3)
/RP2040/GPIO8: length 106.3
  Top w0.143: 60.45,22.65 60.45,22.85 v1(60.2,23.1) 60.65,22.65 66.25,22.65 v1(66.85,23.25) ; v1(84.55,20.95) 84.55,20.8 84.45,20.7 84.25,20.7 82.75,19.2 82.75,9.05 86.55,5.25 86.55,3.24 J23.2 ; 24.42,33.75 24.42,34.64 24.17,34.9 18.18,34.9 17.93,34.64 17.93,33.75 ; v1(34.55,25.05) 38.95,25.05 v1(39,25.1) ; v1(79.65,24.6) 80.5,24.6 80.95,24.15 82.1,24.15 82.49,23.76 84.86,23.76 84.95,23.85 86.06,23.85
  Top w0.45: 17.93,33.75 17.93,32.35 R18.1 ; 24.42,33.75 24.42,31.9 R20.2
  Bottom w0.143: v1(84.55,20.95) 85.4,21.8 85.4,23.8 ; v1(60.2,23.1) 59.75,22.65 50.85,22.65 48.4,25.1 v1(39,25.1) ; v1(66.85,23.25) 72.45,23.25 73.75,24.55 79.6,24.55 v1(79.65,24.6) ; v1(24.55,31.8) 24.55,29.8 26.97,27.37 26.98,27.37 29.3,25.05 v1(34.55,25.05)
  vias: v1(85.2,23.85)
/RP2040/GPIO9: length 110.2
  Top w0.143: 85.54,23.37 85.62,23.45 86.06,23.45 ; 85.54,23.37 79.08,23.37 v1(78.8,23.65) ; 85.54,23.37 85.32,23.37 85.05,23.1 85.05,20.7 83.45,19.1 83.45,9.2 87.83,4.82 J23.1 ; v1(66.85,22.05) v1(60.7,22.05) ; v1(38.4,24.1) 38.4,22.15 37.85,21.6 v1(34.6,21.6) 34.55,21.6
  Top w0.45: R19.1 18.58,32 18.58,33.75 ; R19.1 18.63,31.95 v1(18.6,31.95) R19.1
  Bottom w0.143: v1(60.7,22.05) 50.1,22.05 48.05,24.1 v1(38.4,24.1) ; 34.65,21.65 v1(34.6,21.6) 15.9,21.6 15.45,22.05 15.45,29.45 17.95,31.95 v1(18.6,31.95) ; v1(78.8,23.65) 78.5,23.95 74.7,23.95 72.8,22.05 v1(66.85,22.05)
/RP2040/RPUSB_D+: length 3.7
  Top w0.2: 90.5,28.69 90.5,29.47 90.6,29.58
  Top w0.374: 90.6,29.58 90.63,29.61 90.63,31.46 90.3,31.79 R33.1
/RP2040/RPUSB_D-: length 4.5
  Top w0.2: 91.12,29.65 91.11,29.65 91.01,29.55 91.01,29.45 90.9,29.34 ; U8.46 90.9,29.34 ; 90.9,29.34 90.9,28.69
  Top w0.374: 91.12,29.65 91.12,31.34 R34.2
/RP2040/USB_D+: length 12.5
  Top w0.374: R33.2 90.3,33.8 90.91,34.41 90.91,40.1 91.56,40.75 U10.B6 94.7,40.75 94.92,40.53 94.92,39.92 94.74,39.75 U10.A6
/RP2040/USB_D-: length 11.1
  Top w0.374: U10.A7 94.01,40.29 93.05,40.29 ; 93.05,40.29 91.79,40.29 91.39,39.89 91.39,34.41 92,33.8 R34.1 ; 93.05,40.29 93.05,39.45 93.25,39.25 U10.B7
/SCL: length 103.7
  Top w0.143: 83.9,27.35 84.23,27.02 85.43,27.02 85.45,27.05 86.06,27.05 ; 66.08,12.42 66.08,13.82 v1(65.8,14.1) ; 50.58,12.52 50.58,13.92 v1(50.3,14.2) ; v1(76.45,17.9) 75.95,17.9 v1(74.9,18.95) ; 17.68,8.88 20.32,8.88 21.9,7.3 v1(21.9,5) ; 38.75,13.77 v1(39.3,13.77)
  Bottom w0.143: J23.9 76.5,5.67 76.5,17.85 v1(76.45,17.9) ; 74.95,18.95 83.35,27.35 v1(83.8,27.35) ; 74.9,18.9 70.85,14.85 66.6,14.85 65.85,14.1 v1(65.8,14.1) 65.67,14.22 58.05,14.22 58.03,14.2 v1(50.3,14.2) 39.73,14.2 v1(39.3,13.77) 38.4,12.87 38.4,7.7 35.7,5 v1(21.9,5)
/SDA: length 104.5
  Top w0.143: 51.15,13.58 v1(51.23,13.5) 51.23,12.52 ; v1(21.25,4.25) 21.2,4.3 21.2,7.2 20.03,8.38 17.68,8.38 ; 66.73,12.42 v1(66.72,13.4) ; 40.27,12.25 40.27,12.73 v1(40.25,12.75) ; 86.06,27.45 v1(85.2,27.45)
  Bottom w0.143: 75.34,18.44 83.65,26.75 84.5,26.75 v1(85.2,27.45) 85.25,27.45 ; 75.34,18.44 70.3,13.4 v1(66.72,13.4) 66.65,13.33 58.28,13.33 58,13.6 52.38,13.6 52.35,13.63 51.35,13.63 v1(51.23,13.5) 50.48,12.75 v1(40.25,12.75) 39.65,12.15 39.65,7.55 36.2,4.1 21.4,4.1 v1(21.25,4.25) ; 75.34,18.44 75.34,4.29 J23.10
/TPA3116D2/SYNC: length 39.1
  Top w0.143: R21.1 v1(30.7,30.75) ; v1(37.8,30.75) v1(40.1,30.75) ; v1(68.1,33.75) 67.87,33.75
  Bottom w0.143: v1(40.1,30.75) 54.3,30.75 56.35,32.8 67.5,32.8 68.1,33.4 v1(68.1,33.75) ; v1(30.7,30.75) v1(37.8,30.75)
Net-(C20-Pad2): length 2.2
  Top w0.28: R5.1 27.13,6.22 C20.2
Net-(C80-Pad2): length 2.6
  Top w1.5: C80.2 45.04,64.74 R23.1
Net-(C81-Pad1): length 2.5
  Top w1.5: C81.1 36.14,64.51 R22.2
Net-(C84-Pad1): length 2.6
  Top w1.5: R24.2 67.46,64.54 C84.1
Net-(C85-Pad2): length 2.6
  Top w1.5: R25.1 70.44,64.64 C85.2
Net-(C96-Pad1): length 3.1
  Top w2: C96.1 11.19,66.79 11.19,64
Net-(C97-Pad2): length 3
  Top w1.5: C97.2 26.53,64.06 R27.1
Net-(C109-Pad2): length 3.6
  Top w0.143: R38.1 89.78,16.85 88.25,16.85 88.25,14.88 C109.2
Net-(J1-AUDIO_L): length 64.2
  Bottom w0.143: J1.4 6.43,69.27 7.28,68.42 7.28,65.92 7.4,65.8 7.4,29.95 9.3,28.05 9.3,17.4 v1(7.9,16)
Net-(J1-AUDIO_R): length 67.4
  Bottom w0.143: J1.3 1.95,78.45 2.6,77.8 2.6,70.7 6.8,66.5 6.8,62.95 6.55,62.7 6.55,29.2 8.32,27.43 8.32,18.8 v1(5.5,15.97)
Net-(J2-AUDIO_L): length 69.3
  Bottom w0.143: v1(13,15.97) 11.3,17.67 11.3,28.8 8.9,31.2 8.9,64.7 12.8,68.6 12.8,76.7 14.59,78.5 J2.4
Net-(J2-AUDIO_R): length 65
  Bottom w0.143: J2.3 11.9,68.92 8.18,65.2 8.18,30.58 10.3,28.45 10.3,16.22 v1(10.53,16)
Net-(J3-Pin_1): length 17.8
  Top w0.143: v1(31.95,19.35) 33.3,19.35 33.7,18.95 C31.2
  Bottom w0.143: v1(31.95,19.35) 28.35,19.35 24.1,15.1 24.1,11.6 J3.1
Net-(J4-Pin_1): length 6.4
  Top w0.143: C32.2 28.78,16.53 R8.1 25.97,17.7 J4.1
Net-(J7-Pin_1): length 7.6
  Top w0.143: 65.43,12.42 65.43,13.77 63.12,16.08 J7.1
Net-(J7-Pin_2): length 8.4
  Top w0.143: J7.2 60.59,17.92 64.78,13.72 64.78,12.42
Net-(J7-Pin_3): length 15.7
  Top w0.143: 64.78,6.58 61.45,9.9 61.45,16.4 60.6,17.25 59.9,17.25 J7.3
